# Altium PCB QAM16.PcbDoc (part 1 of 2) (continued)
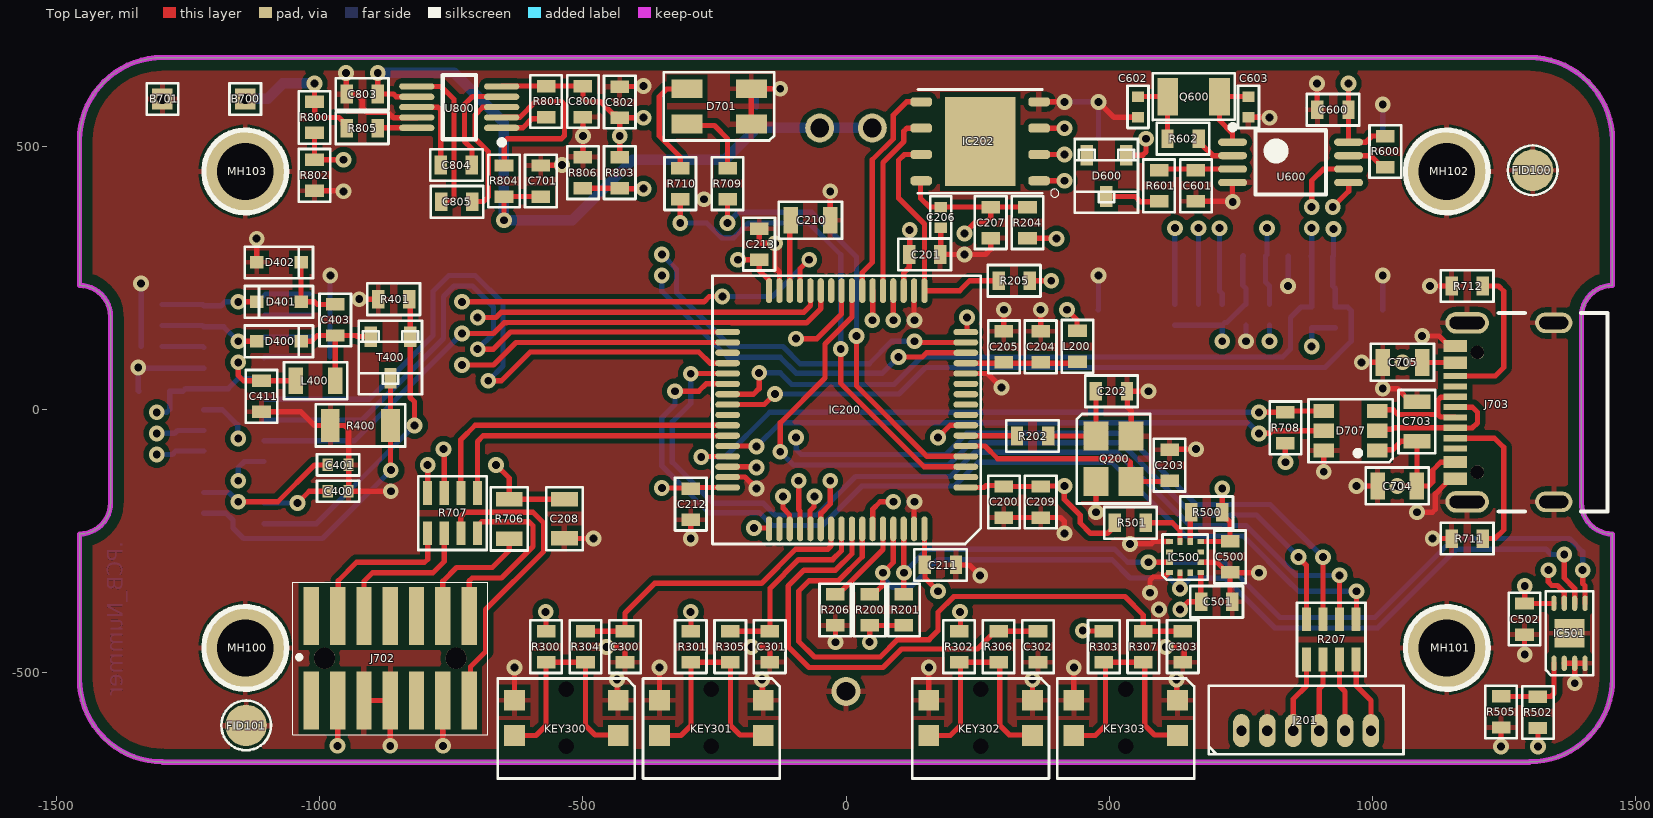
[diagram p0: Top Layer view]
## Part data (continued)
C210: library part F0160, "Capacitor", Manufacturer=KEMET, Manufacturer Part Number=C0805C225K3RAC7800, Operating Range="-55°C to +125°C", Supplier Part Number 1=399-11941-1-ND, Availability Date="15.11.2016 OPT", Changed="02.08.2013 NEC", Component Type=Standard, ComponentLink1Description=Datasheet, ComponentLink1URL=http://www.samsungsem.com/servlet/FileDownload?type=spec&file=CL21B225KAFNFNE.pdf, Flammability=n.a., ID=F0160, Note="2.2uF 25V X7R 10% Samsung Electro-Mechanics America CL21B225KAFNFNE", Part Status=Active, Part-Number=63.0225.1500, Pin Count=2, Price=0.039, Price 100=0.03, Price 1000=0.03, Price Date="02.12.2019 Pro Alpha", RoHS="RoHS Compliant", RoHS compliant=Yes, Specification="02.08.2013 NEC", Status=Active, Supplier 1=Digi-Key
C601: library part F0025, "Capacitor", Manufacturer=KEMET, Manufacturer Part Number=C0603C101J5GACTU, Operating Range="-55°C to +125°C", Supplier Part Number 1=399-1061-1-ND, Availability Date="15.11.2016 OPT", Changed="19.09.2011 MLP", Component Type=Standard, ComponentLink1Description=http://www.kemet.com/docfinder?Partnumber=C0603C101J5GACTU, ComponentLink1URL=http://www.kemet.com/docfinder?Partnumber=C0603C101J5GACTU, Flammability=n.a., ID=F0025, Note="100pF NP0 50V 5% AVX 06035A101JAT2A", Part Status=Active, Part-Number=63.0101.0400, Pin Count=2, Price=0.007, Price 100=0.007, Price 1000=0.007, Price Date="02.12.2019 Pro Alpha", RoHS="RoHS Compliant", RoHS compliant=Yes, Specification="19.09.2011 MLP", Status=Active, Supplier 1=Digi-Key, Verification="05.07.2012 OPT"
C602 C603: library part F0183, "Capacitor", Manufacturer=KEMET, Manufacturer Part Number=C0402C180J5GAC7867, Operating Range="-55°C to +125°C", Supplier Part Number 1=399-8952-1-ND, Availability Date="15.11.2016 OPT", Changed="15.12.2014 NEC", Component Type=Standard, ComponentLink1Description=Datasheet, ComponentLink1URL=http://www.avx.com/docs/Catalogs/ccog.pdf, Flammability=n.a., ID=F0183, Note="18pF 50V C0G (NP0) 5% Kemet C0402C180J5GAC7867", Part Status=Active, Part-Number=63.0204.0100, Pin Count=2, Price=0.034, Price 100=0.035, Price 1000=0.028, Price Date="02.12.2019 Pro Alpha", RoHS="RoHS Compliant", RoHS compliant=Yes, Specification="15.12.2014 NEC", Status=Active, Supplier 1=Digi-Key
C701 C800 C803: library part F0168, "Capacitor", Manufacturer="TDK Corporation", Manufacturer Part Number=C1608X5R1E106M080AC, Operating Range="-55°C to +85°C", Supplier Part Number 1=445-9015-1-ND, Availability Date="15.11.2016 OPT", Changed="20.12.2013 OPT", Component Type=Standard, ComponentLink1Description=Datasheet, ComponentLink1URL=http://product.tdk.com/capacitor/mlcc/en/documents/mlcc_commercial_general_en.pdf, Flammability=n.a., ID=F0168, Note="10uF 25V X5R 20% TDK C1608X5R1E106M080AC", Part Status=Active, Part-Number=63.0103.1403, Pin Count=2, Price=0.281, Price 100=0.204, Price 1000=0.188, Price Date="02.12.2019 Pro Alpha", RoHS="RoHS Compliant", RoHS compliant=Yes, Specification="20.12.2013 OPT", Status=Active, Supplier 1=Digi-Key
C702: library part F0096, "Capacitor", Manufacturer=KEMET, Manufacturer Part Number=C0402C104K4RACTU, Operating Range="-55°C to +125°C", Supplier Part Number 1=399-3521-1-ND, Availability Date="15.11.2016 OPT", Changed="19.09.2011 MLP", Component Type=Standard, Flammability=n.a., ID=F0096, Note="100nF 16V 10% X7R KEMET C0402C104K4RACTU", Part Status=Active, Part-Number=63.7000.0070, Pin Count=2, Price=0.001, Price 100=0.002, Price 1000=0.002, Price Date="02.12.2019 Pro Alpha", RoHS="RoHS Compliant", RoHS compliant=Yes, Specification="19.09.2011 MLP", Status=Active, Supplier 1=Digi-Key, Verification="05.07.2012 OPT"
C703 C704 C705: library part F0127, "Capacitor", Manufacturer="Murata Electronics North America", Manufacturer Part Number=GRM21BF51H105ZA12L, Operating Range="-30°C to +85°C", Supplier Part Number 1=490-3903-1-ND, Availability Date="15.11.2016 OPT", Changed="27.12.2012 OPT", Component Type=Standard, ComponentLink1Description=Datasheet, ComponentLink1URL=http://www.murata.com/products/catalog/pdf/c02e.pdf, ComponentLink2Description=http://search.murata.co.jp/Ceramy/image/img/A01X/G101/ENG/GRM21BF51H105ZA12-01.pdf, ComponentLink2URL=http://search.murata.co.jp/Ceramy/image/img/A01X/G101/ENG/GRM21BF51H105ZA12-01.pdf, Flammability=n.a., ID=F0127, Note="1uF 50V Y5V 20% Murata GRM21BF51H105ZA12L", Part Status="Discontinued at Digi-Key", Part-Number=63.0105.1500, Pin Count=2, Price=0.118, Price 100=0.067, Price 1000=0.067, Price Date="02.12.2019 Pro Alpha", RoHS="RoHS Compliant", RoHS compliant=Yes, Specification="27.12.2012 OPT", Status=Active, Supplier 1=Digi-Key
D400 D401 D402: library part A0118, "Diode", Manufacturer=STMicroelectronics, Operating Range="-40°C to +150°C", Supplier Part Number=497-7163-1-ND, Availability Date="10.11.2016 SCI", Changed="10.11.2016 OPT", Component Type=Standard, ComponentLink1Description=Datasheet, ComponentLink1URL=http://www.st.com/content/ccc/resource/technical/document/datasheet/07/50/54/f2/0d/ba/4a/79/CD00001322.pdf/files/CD00001322.pdf/jcr:content/translations/en.CD00001322.pdf, Flammability=n.a., ID=A0118, Manufacturer Part Number=BAT54JFILM, Note="STMicroelectronics BAT54JFILM Diode Schottky 300mA 40V", Part Status=Active, Part-Number=61.0054.1006, Pin Count=2, Price=0.098, Price 100=0.097, Price 1000=0.066, Price Date="02.12.2019 Pro Alpha", RoHS="RoHS Compliant", RoHS compliant=Yes, Specification="10.11.2016 OPT", Status=Active, Supplier=Digi-Key, Verification="30.11.2016 SCI"
D600: library part A0002, "Diode", Manufacturer="Nexperia USA Inc.", Manufacturer Part Number=BAS16,235, Operating Range="-65°C to +150°C", Supplier Part Number=1727-6172-1-ND, Availability Date="14.11.2016 OPT", Changed="19.09.2011 MLP", Component Type=Standard, ComponentLink1Description=Datasheet, ComponentLink1URL=http://www.fairchildsemi.com/ds/BA/BAS16.pdf, Flammability=n.a., ID=A0002, Note="NXP Semiconductors BAS16 235 Diode", Part Status=Active, Part-Number=61.0016.1000, Pin Count=3, Price=0.021, Price 100=0.025, Price 1000=0.025, Price Date="02.12.2019 Pro Alpha", RoHS="RoHS Compliant", RoHS compliant=Yes, Specification="19.09.2011 MLP", Status=Active, Supplier=Digi-Key, Verification="05.07.2012 OPT"
D700: library part A0135, "Diode", Manufacturer=Bourns, Operating Range="-40°C to +125°C", Supplier Part Number=652-CG0402MLC-05LGA, Availability Date="02.10.2020 PEK", Component Type=Standard, ComponentLink1Description=Datasheet, ComponentLink1URL=https://www.mouser.ch/datasheet/2/54/MLC-777442.pdf, Flammability=n.a., ID=A0135, Manufacturer Part Number=CG0402MLC-05LGA, Note="Bourns CG0402MLC-05LGA TVS Diodes / ESD Suppressors Chip Guard 0402 5 Volts", Part Status=Active, Part-Number=00.0000.0000, Pin Count=2, Price=0.22, Price 100=0.17, Price 1000=0.12, Price Date="02.10.2020 PEK", RoHS="RoHS Compliant", RoHS compliant=Yes, Status=Active, Supplier=Mouser
D701: library part A0060, "LED", Manufacturer="Wurth Electronics Inc.", Manufacturer Part Number=150141RV73100, Operating Range="-40°C to +85°C", Supplier Part Number=732-5001-1-ND, Availability Date="14.11.2016 OPT", Changed="17.07.2013 OPT", Component Type=Standard, ComponentLink1Description=Datasheet, ComponentLink1URL=http://katalog.we-online.de/led/datasheet/150141RV73100.pdf, Flammability=n.a., ID=A0060, Note="WE WL-SBTW 3528 50141RV73100", Part Status=Active, Part-Number=72.3528.0200, Pin Count=4, Price=0.21, Price 100=0.39, Price 1000=0.39, Price Date="02.12.2019 Pro Alpha", RoHS="RoHS Compliant", RoHS compliant=Yes, Specification="17.07.2013 OPT", Status=Active, Supplier=Digi-Key
D707: library part A0111, "Diode", Manufacturer="ON Semiconductor", Operating Range="-55°C to +125°C", Supplier Part Number=STF202-22T1GOSCT-ND, Availability Date="14.09.2016 OPT", Changed="14.09.2016 OPT", Component Type=Standard, ComponentLink1Description=Datasheet, ComponentLink1URL=http://www.onsemi.com/pub_link/Collateral/STF202-22T1-D.PDF, Flammability=n.a., ID=A0111, Manufacturer Part Number=STF202-22T1G, Note="ON Semiconductor STF202-22T1G USB Filter with ESD Protection", Part Status=Active, Part-Number=61.0202.2200, Pin Count=6, Price=0.31, Price 100=0.303, Price 1000=0.234, Price Date="02.12.2019 Pro Alpha", RoHS="RoHS Compliant", RoHS compliant=Yes, Specification="14.09.2016 OPT", Status=Active, Supplier=Digi-Key
FID100 FID101 FID102 FID103: library part C0039, "FIDUCIAL", Operating Range="-50°C to +130°C", Availability Date=-, Changed="19.09.2011 MLP", Component Type=Standard, Flammability="UL 94 V-0", ID=C0039, Note=FIDUCIAL-2, Part-Number=00.0000.0000, Pin Count=1, Price=0, Price 100=0, Price 1000=0, Price Date="07.10.2011 MLP", RoHS compliant=Yes, Specification="19.09.2011 MLP", Status=Active
IC200: library part H0047, "uC", Manufacturer=STMicroelectronics, Manufacturer Part Number=STM32F411RET6, Operating Range="-40°C to +85°C", Supplier Part Number 1=C94355, Availability Date="05.09.2020 PEK", Changed="05.09.2020 PEK", Component Type=Standard, ComponentLink1Description=Datasheet, ComponentLink1URL=https://www.st.com/resource/en/datasheet/stm32f411re.pdf, Flammability=n.a, ID=H0047, Note="ARM Mikrocontroller - MCU 32-BITS MICROS", Part Status=Active, Part-Number=00.0000.0000, Pin Count=64, Price=3.03, Price 100=2.6, Price 1000=2.6, Price Date="05.09.2020 PEK", RoHS="RoHS Compliant", RoHS compliant=Yes, Specification="05.09.2020 PEK", Status=Active, Supplier 1=JLCPCB, Verification="05.09.2020 PEK"
IC202: library part L0030, "Memory", Manufacturer=Winbond, Operating Range="-40°C to +85°C", Supplier Part Number 1=454-W25Q128JWPIQ, Availability Date=02.04.2022, Changed="04.02.2022 PEK", Component Type=Standard, ComponentLink1Description=Datasheet, ComponentLink1URL=https://www.mouser.ch/datasheet/2/949/W25Q128JW_RevB_11042019-1761358.pdf, Flammability=n.a., ID=L0030, Manufacturer Part Number=W25Q128JWPIQ, Note="1.8V 128M-BIT SERIAL FLASH MEMORY WITH  DUAL, QUAD SPI", Part Status=Active, Part-Number=00.0000.0000, Pin Count=8, Price=2.02, Price 100=1.76, Price 1000=1.76, Price Date="04.02.2022 PEK", RoHS="RoHS Compliant", RoHS compliant=Yes, Specification="04.02.2022 PEK", Status=Active, Supplier 1=Mouser
IC500: library part E0146, "Sensor", Manufacturer=MEMSIC, Operating Range="-40°C to +85°C", Supplier Part Number 1=498-MC3419, Availability Date="02.04.2021 PEK", Changed="02.04.2021 PEK", Component Type=Standard, ComponentLink1Description=Datasheet, ComponentLink1URL=https://www.mouser.ch/datasheet/2/821/MEMSIC_MC3419_Datasheet-1889799.pdf, Flammability=n.a, ID=E0146, Manufacturer Part Number=MC3419, Note="Beschleunigungsmesser Small Digital 3-axis Accelerometer Sensor", Part Status=Active, Part-Number=00.0000.0000, Pin Count=12, Price=1.58, Price 100=0.837, Price 1000=0.625, Price Date="02.04.2021 PEK", RoHS="RoHS Compliant", RoHS compliant=Yes, Specification="02.04.2021 PEK", Status=Active, Supplier 1=Mouser
IC501: library part E0075, "Sensor", Manufacturer="Microchip Technology", Operating Range="-40°C to +125°C", Supplier Part Number 1=MCP9844T-BE/MNYCT-ND, Availability Date="15.11.2016 OPT", Changed="18.06.2014 NEC", Component Type=Standard, ComponentLink1Description=Datasheet, ComponentLink1URL=http://ww1.microchip.com/downloads/en/DeviceDoc/20005192B.pdf, Flammability=n.a., ID=E0075, Manufacturer Part Number=MCP9844T-BE/MNY, Note="Microchip MCP9844T-BE/MNY T-Sensor PCB", Part Status=Active, Part-Number=61.0110.6400, Pin Count=8, Price=0.846, Price 100=0.68, Price 1000=0.66, Price Date="01.06.2021 Pro Alpha", RoHS="RoHS Compliant", RoHS compliant=Yes, Specification="18.06.2014 NEC", Status=Active, Supplier=Digi-Key
J201: library part N0043, "Connector", Manufacturer="Molex, LLC", Manufacturer Part Number=0530470610, Operating Range="-40°C to +85°C", Supplier Part Number 1=WM1735-ND, Availability Date="16.11.2016 OPT", Changed="07.11.2012 OPT", Component Type=Standard, ComponentLink1Description=Datasheet, ComponentLink1URL=http://www.molex.com/pdm_docs/sd/530470610_sd.pdf, Flammability="UL 94 V-0", ID=N0043, Note="MICRO-06 THT Molex 53047-0610", Part Status=Active, Part-Number=87.5180.2065, Pin Count=6, Price=0.441, Price 100=0.515, Price 1000=0.515, Price Date="02.12.2019 Pro Alpha", RoHS="RoHS Compliant", RoHS compliant=Yes, Specification="07.11.2012 OPT", Status=Active, Supplier 1=Digi-Key
J400: library part N0136, "Connector", Manufacturer="Molex, LLC", Manufacturer Part Number=5019512410, Operating Range="-25°C to +85°C", Supplier Part Number 1=WM11107CT-ND, Availability Date="16.11.2016 OPT", Changed="01.09.2015 OPT", Component Type=Standard, ComponentLink1Description=Datasheet, ComponentLink1URL=http://www.molex.com/pdm_docs/sd/5019512410_sd.pdf, Flammability="UL 94 V-0", ID=N0136, Note="Molex 5019512410 FFC 24 POS", Part Status=Active, Part-Number=87.5019.5124, Pin Count=24, Price=0.74, Price 100=1.28, Price 1000=0.92, Price Date="02.12.2019 Pro Alpha", RoHS="RoHS Compliant", RoHS compliant=Yes, Specification="01.09.2015 OPT", Status=Active, Supplier 1=Digi-Key
J701: library part N0178, "Connector", Manufacturer="Amphenol Commercial Products", Manufacturer Part Number=GTFH08131YHR, Operating Range="-40°C to +120°C", Supplier Part Number 1=523-GTFH08131YHR, Availability Date="02.04.2022 PEK", Changed="02.04.2022 PEK", Component Type=Standard, ComponentLink1Description=Datasheet, ComponentLink1URL=https://cdn.amphenol-icc.com/media/wysiwyg/files/drawing/gtfh081x1yhr.pdf, Flammability="UL 94 V-0", ID=N0178, Note="Speicherkartenverbinder Micro SD, Skt Hinge", Part Status=Active, Part-Number=00.0000.0000, Pin Count=12, Price=2.66, Price 100=2.13, Price 1000=1.55, Price Date="02.04.2022 PEK", RoHS="RoHS Compliant", RoHS compliant=Yes, Specification="02.04.2022 PEK", Status=Active, Supplier 1=Mouser
J702: library part N0177, "Connector", Manufacturer=Samtec, Manufacturer Part Number=FTSH-107-01-L-DV-K-A, Operating Range="-40°C to +120°C", Supplier Part Number 1=200-FTSH10701LDVKA, Availability Date="28.03.2021 PEK", Changed="28.03.2021 PEK", Component Type=Standard, ComponentLink1Description=Datasheet, ComponentLink1URL=https://www.mouser.ch/datasheet/2/527/ftsh_smt-1316912.pdf, Flammability="UL 94 V-0", ID=N0177, Note=Stiftleiste_Stlink_V3, Part Status=Active, Part-Number=00.0000.0000, Pin Count=14, Price=3.90, Price 100=3.22, Price 1000=2.20, Price Date="28.03.2021 PEK", RoHS="RoHS Compliant", RoHS compliant=Yes, Specification="28.03.2021 PEK", Status=Active, Supplier 1=Mouser
J703: library part N0175, "Connector", Manufacturer=GCT, Manufacturer Part Number=USB4105-GF-A, Operating Range="-40°C to +120°C", Package=None, Supplier Part Number 1=640-USB4105-GF-A, Availability=Unavailable, Availability Date="28.03.2021 PEK", Changed="28.03.2021 PEK", Component Type=Standard, ComponentLink1Description=Datasheet, ComponentLink1URL=https://www.mouser.ch/datasheet/2/837/USB4105_spec-2327646.pdf, DeviceSetName=105450-0101, Flammability="UL 94 V-0", GateName_1=G$1, ID=N0175, LibraryName=105450-0101, MF=Molex, MP=1054500101, Note="USB-Stecker USB Type C,2.0, Rec, SMT,TH Shell Stakes USB4105-GF-A", Part Status=Active, Part-Number=00.0000.0000, Pin Count=16, Price=0.75, Price 100=0.46, Price 1000=0.41, Price Date="28.03.2021 PEK", RoHS="RoHS Compliant", RoHS compliant=Yes, Specification="28.03.2021 PEK", Status=Active, Supplier 1=Mouser, SymbolName_1=105450-0101
KEY300 KEY301 KEY302 KEY303: library part O0004, "Button", Manufacturer="Wurth Electronics Inc.", Manufacturer Part Number=436333045822, Operating Range="-40°C to +85°C", Supplier Part Number 1=732-7060-1-ND, Availability Date="15.11.2016 OPT", Changed="09.07.2013 OPT", Component Type=Standard, ComponentLink1Description=Datasheet, ComponentLink1URL=http://katalog.we-online.de/em/datasheet/436333045822.pdf, Flammability=n.a., ID=O0004, Note="Drucktaste WE 220GF 436333045822", Part Status=Active, Part-Number=87.4363.0220, Pin Count=4, Price=0.589, Price 100=0.393, Price 1000=0.393, Price Date="02.12.2019 Pro Alpha", RoHS="RoHS Compliant", RoHS compliant=Yes, Specification="09.07.2013 OPT", Status=Active, Supplier 1=Digi-Key
L200: library part M0007, "Inductor", Manufacturer="Taiyo Yuden", Manufacturer Part Number=HK160822NJ-T, Operating Range="-40°C to +85°C", Supplier Part Number 1=587-1549-1-ND, Availability Date="15.11.2016 OPT", Changed="19.09.2011 MLP", Component Type=Standard, Flammability=n.a., ID=M0007, Note="Taiyo Yuden HK160822NJ-T Festinduktoren INDCTR HIFREQ MLTLYR 0603 22nH 5%", Part Status=Active, Part-Number=69.0220.0000, Pin Count=2, Price=0.029, Price 100=0.076, Price 1000=0.05, Price Date="02.12.2019 Pro Alpha", RoHS="RoHS Compliant", RoHS compliant=Yes, Specification="19.09.2011 MLP", Status=Active, Supplier 1=Digi-Key, Verification="05.07.2012 OPT"
L400: library part M0076, "Inductor", Manufacturer="Taiyo Yuden", Manufacturer Part Number=LB2012T680K, Operating Range="-40°C to +125°C", Availability Date="15.11.2016 OPT", Changed="02.12.2019 Pro Alpha", Component Type=Standard, ComponentLink1Description=Datasheet, ComponentLink1URL=https://www.mouser.ch/datasheet/2/396/wound01_e-1509533.pdf, Flammability=n.a., ID=M0076, Note="Murata 68uH 500mA", Part Status=Active, Part-Number=00.0000.0000, Pin Count=2, Price=0.21, Price 100=0.20, Price 1000=0.15, Price Date="02.12.2019 Pro Alpha", RoHS="RoHS Compliant", RoHS compliant=Yes, Specification="02.12.2019 Pro Alpha", Status=Active, Supplier 1=Mouser, Supplier Part Number 1=LB2012T680K, Verification="02.12.2019 Pro Alpha"
MH100 MH101 MH102 MH103: library part C0084, "PCB hole", Manufacturer=-, Operating Range="-50°C to +130°C", Availability Date="14.03.2019 PEK", Changed="14.03.2019 PEK", Component Type=Standard, ComponentLink1Description=Datasheet, ComponentLink1URL=-, Flammability=n.a, ID=C0084, Manufacturer Part Number=-, Note=MH_M2.5, Part Status=Active, Part-Number=00.0000.0000, Pin Count=1, Price=0.00, Price 100=0.00, Price 1000=0.00, Price Date="14.03.2019 PEK", RoHS="RoHS Compliant", RoHS compliant=Yes, Specification="14.03.2019 PEK", Status=Active, Supplier 1=-, Supplier Part Number 1=-
Q200: library part J0008, "Resonator", Manufacturer="Abracon LLC", Manufacturer Part Number=ABM8G-25.000MHZ-18-D2Y-T, Operating Range="-40°C to +85°C", Supplier Part Number 1=535-10275-1-ND, Availability Date="14.11.2016 OPT", Changed="23.09.2014 OPT", Component Type=Standard, ComponentLink1Description=Datasheet, ComponentLink1URL=http://www.abracon.com/Resonators/ABM8G.pdf, Flammability=n.a., ID=J0008, Note="ABRACON ABM8G-25.000MHZ-18-D2Y-T Quarze 25.000MHz 18pF 30ppm -40C +85C", Part Status=Active, Part-Number=77.2500.1800, Pin Count=4, Price=0.61, Price 100=0.783, Price 1000=0.548, Price Date="02.12.2019 Pro Alpha", RoHS="RoHS Compliant", RoHS compliant=Yes, Specification="30.12.2013 OPT", Status=Active, Supplier 1=Digi-Key
Q600: library part J0014, "Resonator", Operating Range="-40°C to +85°C", Availability Date="19.06.2017 NEC", Changed="21.06.2017 OPT", Component Type=Standard, ComponentLink1Description=Datasheet, ComponentLink1URL=http://www.microcrystal.com/images/_Product-Documentation/01_TF_ceramic_Packages/01_Datasheet/CM7V-T1A_Low-ESR.pdf, ComponentLink2Description="Product Documentation", ComponentLink2URL=http://www.microcrystal.com/images/_Product-Documentation/01_TF_ceramic_Packages/02_Crystal_Documentation/CM7V-T1A_Low-ESR_Product-Doc.pdf, Flammability=n.a., ID=J0014, Note="Microcrystal CM7VT1A32.768K12.5PF20PT 32.768kHz Quarz 12.5pF 20ppm LowESR 50kOhm SMD/202740-BG00", Part Status=Active, Part-Number=77.3276.8930, Pin Count=2, Price=0.164, Price 100=0.25, Price 1000=0.25, Price Date="02.12.2019 Pro Alpha", RoHS="RoHS Compliant", RoHS compliant=Yes, Specification="21.06.2017 OPT", Status=Active
R200 R201: library part Q0091, "Resistor", Manufacturer="Vishay Dale", Manufacturer Part Number=CRCW06032K20FKEA, Operating Range="-55°C to +155°C", Supplier Part Number=541-2.20KHCT-ND, Availability Date="16.11.2016 OPT", Changed="19.09.2011 MLP", Component Type=Standard, ComponentLink1Description=http://www.vishay.com/docs/20035/dcrcwe3.pdf, ComponentLink1URL=http://www.vishay.com/docs/20035/dcrcwe3.pdf, Flammability=n.a., ID=Q0091, Note="2.2k 1% 100ppm 1/10W Vishay CRCW06032K20FKTA", Part Status=Active, Part-Number=71.2201.1300, Pin Count=2, Price=0.001, Price 100=0.002, Price 1000=0.002, Price Date="02.12.2019 Pro Alpha", RoHS="RoHS Compliant", RoHS compliant=Yes, Specification="19.09.2011 MLP", Status=Active, Supplier=Digi-Key, Verification="05.07.2012 OPT"
R202: library part Q0402, "Resistor", Manufacturer="Vishay Beyschlag", Manufacturer Part Number=MCT06030C2209FP500, Operating Range="-55°C to +125°C", Supplier Part Number=MCT0603-22.0-CFCT-ND, Availability Date="23.06.2017 ENP", Changed="23.06.2017 NEC", Component Type=Standard, ComponentLink1Description=Datasheet, ComponentLink1URL=https://www.vishay.com/docs/28705/mcx0x0xpro.pdf, Flammability=n.a., ID=Q0402, Note="22E 1% 50ppm 1/10W Vishay MCT06030C2209FP500", Part Status=Active, Part-Number=71.2209.1400, Pin Count=2, Price=0.029, Price 100=0.059, Price 1000=0.035, Price Date="02.12.2019 Pro Alpha", RoHS="RoHS Compliant", RoHS compliant=Yes, Specification="23.06.2017 NEC", Status=Active, Supplier=Digi-Key
R204 R205 R206 R300 R301 R302 R303 R401 R600: library part Q0017, "Resistor", Manufacturer="Vishay Dale", Manufacturer Part Number=CRCW060310K0FKEAHP, Operating Range="-55°C to +155°C", Supplier Part Number=541-10.0KSCT-ND, Availability Date="16.11.2016 OPT", Changed="19.09.2011 MLP", Component Type=Standard, ComponentLink1Description=http://www.vishay.com/docs/20043/crcwhpe3.pdf, ComponentLink1URL=http://www.vishay.com/docs/20043/crcwhpe3.pdf, Flammability=n.a., ID=Q0017, Note="10k 1% 100ppm 1/10W Vishay CRCW060310K0FKEA", Part Status=Active, Part-Number=71.1002.1300, Pin Count=2, Price=0.001, Price 100=0.002, Price 1000=0.002, Price Date="02.12.2019 Pro Alpha", RoHS="RoHS Compliant", RoHS compliant=Yes, Specification="19.09.2011 MLP", Status=Active, Supplier=Digi-Key, Verification="05.07.2012 OPT"
R207 R707: library part Q0280, "Resistor", Manufacturer="Bourns Inc.", Manufacturer Part Number=CAT16-1000F4LF, Operating Range="-55°C to +125°C", Supplier Part Number=CAT16-1000F4LFCT-ND, Availability Date="16.11.2016 OPT", Changed="12.09.2013 OPT", Component Type=Standard, ComponentLink1Description=Datasheet, ComponentLink1URL=http://www.bourns.com/data/global/pdfs/CATCAY.pdf, ComponentLink2Description=http://www.bourns.com/docs/Product-Datasheets/CATCAY.pdf, ComponentLink2URL=http://www.bourns.com/docs/Product-Datasheets/CATCAY.pdf, Flammability=n.a., ID=Q0280, Note="100E 4x 1.0% 1/16W Bourns CAT16-1000F4LF", Part Status=Active, Part-Number=00.0000.0000, Pin Count=2, Price=0.043, Price 100=0.043, Price 1000=0.043, Price Date="12.09.2013 OPT", RoHS="RoHS Compliant", RoHS compliant=Yes, Specification="12.09.2013 OPT", Status=Active, Supplier=Digi-Key
R304 R305 R306 R307: library part Q0011, "Resistor", Manufacturer="Vishay Dale", Manufacturer Part Number=CRCW0603100RFKEA, Operating Range="-55°C to +155°C", Supplier Part Number=541-100HCT-ND, Availability Date="16.11.2016 OPT", Changed="19.09.2011 MLP", Component Type=Standard, ComponentLink1Description=http://www.vishay.com/docs/20035/dcrcwe3.pdf, ComponentLink1URL=http://www.vishay.com/docs/20035/dcrcwe3.pdf, Flammability=n.a., ID=Q0011, Note="100E 1% 100ppm 1/10W Vishay / Dale CRCW0603100RFKTB", Part Status=Active, Part-Number=71.1000.1300, Pin Count=2, Price=0.002, Price 100=0.002, Price 1000=0.002, Price Date="02.12.2019 Pro Alpha", RoHS="RoHS Compliant", RoHS compliant=Yes, Specification="19.09.2011 MLP", Status=Active, Supplier=Digi-Key, Verification="05.07.2012 OPT"
R400: library part Q0267, "Resistor", Manufacturer="Panasonic Electronic Components", Manufacturer Part Number=ERJ-8RQFR33V, Operating Range="-55°C to +125°C", Supplier Part Number=P.33RCT-ND, Availability Date="16.11.2016 OPT", Changed="31.07.2013 NEC", Component Type=Standard, ComponentLink1Description=Datasheet, ComponentLink1URL=http://industrial.panasonic.com/www-data/pdf/AOA0000/AOA0000CE3.pdf, ComponentLink2Description=https://industrial.panasonic.com/cdbs/www-data/pdf/RDN0000/AOA0000C295.pdf, ComponentLink2URL=https://industrial.panasonic.com/cdbs/www-data/pdf/RDN0000/AOA0000C295.pdf, Flammability=n.a., ID=Q0267, Note="0.33E 1.0% 250ppm 1/4W Panasonic Electronic Components ERJ-8RQFR33V", Part Status=Active, Part-Number=00.0000.0000, Pin Count=2, Price=0.077, Price 100=0.077, Price 1000=0.077, Price Date="31.07.2013 NEC", RoHS="RoHS Compliant", RoHS compliant=Yes, Specification="31.07.2013 NEC", Status=Active, Supplier=Digi-Key
R500 R501: library part Q0152, "Resistor", Manufacturer="Vishay Dale", Manufacturer Part Number=CRCW06034K70FKEA, Operating Range="-55°C to +155°C", Supplier Part Number=541-4.70KHCT-ND, Availability Date="16.11.2016 OPT", Changed="19.09.2011 MLP", Component Type=Standard, ComponentLink1Description=http://www.vishay.com/docs/20035/dcrcwe3.pdf, ComponentLink1URL=http://www.vishay.com/docs/20035/dcrcwe3.pdf, Flammability=n.a., ID=Q0152, Note="4.7k 1% 100ppm 1/10W Vishay CRCW06034K70FKTA", Part Status=Active, Part-Number=71.4701.3300, Pin Count=2, Price=0.001, Price 100=0.002, Price 1000=0.002, Price Date="02.12.2019 Pro Alpha", RoHS="RoHS Compliant", RoHS compliant=Yes, Specification="19.09.2011 MLP", Status=Active, Supplier=Digi-Key, Verification="05.07.2012 OPT"
R502 R505 R602: library part Q0202, "Resistor", Manufacturer="Vishay Dale", Manufacturer Part Number=CRCW06030000Z0EA, Operating Range="-55°C to +155°C", Supplier Part Number=541-0.0GCT-ND, Availability Date="16.11.2016 OPT", Changed="19.09.2011 MLP", Component Type=Standart, ComponentLink1Description=Datasheet, ComponentLink1URL=http://www.vishay.com/docs/20008/dcrcw.pdf, ComponentLink2Description=http://www.vishay.com/docs/20035/dcrcwe3.pdf, ComponentLink2URL=http://www.vishay.com/docs/20035/dcrcwe3.pdf, Flammability=n.a., ID=Q0202, Note="0E 1/10W Vishay / Dale CRCW06030000Z0TA", Part Status=Active, Part-Number=71.0000.3300, Pin Count=2, Price=0.001, Price 100=0.002, Price 1000=0.002, Price Date="02.12.2019 Pro Alpha", RoHS="RoHS Compliant", RoHS compliant=Yes, Specification="19.09.2011 MLP", Status=Active, Supplier=Digi-Key, Verification="05.07.2012 OPT"
R601 R709 R710: library part Q0014, "Resistor", Manufacturer="Vishay Dale", Manufacturer Part Number=CRCW06031K00FKEC, Operating Range="-55°C to +155°C", Supplier Part Number=541-2986-1-ND, Availability Date="16.11.2016 OPT", Changed="19.09.2011 MLP", Component Type=Standard, Flammability=n.a., ID=Q0014, Note="1k 1% 200ppm 1/10W Vishay / Dale CRCW06031K00FKTA", Part Status=Active, Part-Number=71.1001.1300, Pin Count=2, Price=0.001, Price 100=0.002, Price 1000=0.002, Price Date="02.12.2019 Pro Alpha", RoHS="RoHS Compliant", RoHS compliant=Yes, Specification="19.09.2011 MLP", Status=Active, Supplier=Digi-Key, Verification="05.07.2012 OPT"
R700 R701 R702 R703 R704: library part Q0018, "Resistor", Manufacturer="Vishay Dale", Manufacturer Part Number=CRCW040210K0FKEE, Operating Range="-55°C to +155°C", Supplier Part Number=541-2954-1-ND, Availability Date="16.11.2016 OPT", Changed="19.09.2011 MLP", Component Type=Standart, Flammability=n.a., ID=Q0018, Note="10k 1% 100ppm 1/16W Vishay / Dale CRCW040210K0FKTD", Part Status=Active, Part-Number=71.1002.1400, Pin Count=2, Price=0.017, Price 100=0.002, Price 1000=0.002, Price Date="02.12.2019 Pro Alpha", RoHS="RoHS Compliant", RoHS compliant=Yes, Specification="19.09.2011 MLP", Status=Active, Supplier=Digi-Key, Verification="05.07.2012 OPT"
R705: library part Q0466, "Resistor", Manufacturer="Delta Electronics/Cyntec", Manufacturer Part Number=PFR05S-220-FNH, Operating Range="-55°C to +125°C", Supplier Part Number=2037-PFR05S-220-FNHTR-ND, Availability Date="06.05.2022 PEK", Changed="06.05.2022 PEK", Component Type=Standard, ComponentLink1Description=Datasheet, ComponentLink1URL=https://download.datasheets.com/pdfs/2018/12/14/19/32/22/975901/cyn_/manual/cynts00024-1.pdf, Flammability=n.a., ID=Q0466, Note="Dickfilmwiderstände - SMD 1/16W 22E 1%  RC0402FR-07140KL", Part Status=Active, Part-Number=00.0000.0000, Pin Count=2, Price=0.10, Price 100=0.005, Price 1000=0.0025, Price Date="06.05.2022 PEK", RoHS="RoHS Compliant", RoHS compliant=Yes, Specification="06.05.2022 PEK", Status=Active, Supplier=Digi-Key
R706: library part Q0329, "Resistor", Manufacturer="Vishay Dale", Manufacturer Part Number=CRCW0805100RFKEA, Operating Range="-55°C to +155°C", Supplier Part Number=541-100CCT-ND, Availability Date="16.11.2016 OPT", Changed="28.07.2015 OPT", Component Type=Standard, ComponentLink1Description=Datasheet, ComponentLink1URL=http://www.vishay.com/docs/20035/dcrcwe3.pdf, Flammability=n.a., ID=Q0329, Note="100E 1.0% 100ppm 1/8W Vishay CRCW0805100RFKEA", Part Status=Active, Part-Number=00.0000.0000, Pin Count=2, Price=0.096, Price 100=0.026, Price 1000=0.018, Price Date="28.07.2015 OPT", RoHS="RoHS Compliant", RoHS compliant=Yes, Specification="28.07.2015 OPT", Status=Active, Supplier=Digi-Key
R708: library part Q0052, "Resistor", Manufacturer="Vishay Dale", Manufacturer Part Number=CRCW06031K50FKEA, Operating Range="-55°C to +155°C", Supplier Part Number=541-1.50KHCT-ND, Availability Date="16.11.2016 OPT", Changed="19.09.2011 MLP", Component Type=Standard, ComponentLink1Description=http://www.vishay.com/docs/20035/dcrcwe3.pdf, ComponentLink1URL=http://www.vishay.com/docs/20035/dcrcwe3.pdf, Flammability=n.a., ID=Q0052, Note="1.5k 1% 200ppm 1/10W Vishay CRCW06031K50FKTA", Part Status=Active, Part-Number=71.1501.1300, Pin Count=2, Price=0.001, Price 100=0.002, Price 1000=0.002, Price Date="02.12.2019 Pro Alpha", RoHS="RoHS Compliant", RoHS compliant=Yes, Specification="19.09.2011 MLP", Status=Active, Supplier=Digi-Key, Verification="05.07.2012 OPT"
R711 R712: library part Q0166, "Resistor", Manufacturer="Vishay Dale", Manufacturer Part Number=CRCW06035K10FKEA, Operating Range=-, Supplier Part Number=541-5.10KHCT-ND, Availability Date="16.11.2016 OPT", Changed="19.09.2011 MLP", Component Type=Standard, ComponentLink1Description=http://www.vishay.com/docs/20035/dcrcwe3.pdf, ComponentLink1URL=http://www.vishay.com/docs/20035/dcrcwe3.pdf, Flammability=n.a., ID=Q0166, Note="5.1k 1% 100ppm 1/10W Vishay CRCW06035K10FKEA", Part Status=Active, Part-Number=71.5101.1300, Pin Count=2, Price=0.002, Price 100=0.002, Price 1000=0.002, Price Date="02.12.2019 Pro Alpha", RoHS="RoHS Compliant", RoHS compliant=Yes, Specification="19.09.2011 MLP", Status=Active, Supplier=Digi-Key, Verification="05.07.2012 OPT"
R800 R802 R803 R806: library part Q0058, "Resistor", Manufacturer="Vishay Dale", Manufacturer Part Number=CRCW06031M50FKEA, Operating Range="-55°C to +155°C", Supplier Part Number=541-1.50MHCT-ND, Availability Date="16.11.2016 OPT", Changed="19.09.2011 MLP", Component Type=Standard, ComponentLink1Description=http://www.vishay.com/docs/20035/dcrcwe3.pdf, ComponentLink1URL=http://www.vishay.com/docs/20035/dcrcwe3.pdf, Flammability=n.a., ID=Q0058, Note="1.5M 1% 200ppm 1/10W Vishay CRCW06031M50FKTA", Part Status=Active, Part-Number=71.1504.1300, Pin Count=2, Price=0.002, Price 100=0.002, Price 1000=0.002, Price Date="02.12.2019 Pro Alpha", RoHS="RoHS Compliant", RoHS compliant=Yes, Specification="19.09.2011 MLP", Status=Active, Supplier=Digi-Key, Verification="05.07.2012 OPT"
R801 R804 R805: library part Q0023, "Resistor", Manufacturer="Vishay Dale", Manufacturer Part Number=CRCW0603100KFKEA, Operating Range="-55°C to +155°C", Supplier Part Number=541-100KHCT-ND, Availability Date="16.11.2016 OPT", Changed="19.09.2011 MLP", Component Type=Standard, ComponentLink1Description=http://www.vishay.com/docs/20008/dcrcw.pdf, ComponentLink1URL=http://www.vishay.com/docs/20008/dcrcw.pdf, ComponentLink2Description=http://www.vishay.com/docs/20035/dcrcwe3.pdf, ComponentLink2URL=http://www.vishay.com/docs/20035/dcrcwe3.pdf, Flammability=n.a., ID=Q0023, Note="100k 1% 100ppm 1/10W Vishay / Dale CRCW0603100KFKEA", Part Status=Active, Part-Number=71.1003.1300, Pin Count=2, Price=0.001, Price 100=0.002, Price 1000=0.002, Price Date="02.12.2019 Pro Alpha", RoHS="RoHS Compliant", RoHS compliant=Yes, Specification="19.09.2011 MLP", Status=Active, Supplier=Digi-Key, Verification="05.07.2012 OPT"
T400: library part P0025, "FET", Manufacturer="Vishay Siliconix", Manufacturer Part Number=SI2338DS-T1-GE3, Operating Range="-55°C to +150°C", Supplier Part Number 1=SI2338DS-T1-GE3CT-ND, Availability Date="15.11.2016 OPT", Changed="14.01.2015 NEC", Component Type=Standard, ComponentLink1Description=Datasheet, ComponentLink1URL=http://www.vishay.com/docs/67877/si2338ds.pdf, Flammability=n.a., ID=P0025, Note="Vishay SI2338DS N-Channel MOSFET", Part Status=Active, Part-Number=61.2338.9901, Pin Count=3, Price=0.216, Price 100=0.263, Price 1000=0.197, Price Date="02.12.2019 Pro Alpha", RoHS="RoHS Compliant", RoHS compliant=Yes, Specification="14.01.2015 NEC", Status=Active, Supplier 1=Digi-Key
U600: library part CMP-0186-00279-1, "I2C Real-Time Clock/Calendar with EEPROM, SRAM, Unique ID and Battery Switchover, 8-Pin TSSOP, Industrial Temperature", Code_JEDEC=MO-153, ComponentLink1Description="Manufacturer URL", ComponentLink1URL=http://www.microchip.com/, ComponentLink2Description=Datasheet, ComponentLink2URL=http://ww1.microchip.com/downloads/en/DeviceDoc/22266D.pdf, ComponentLink3Description="Package Specification", ComponentLink3URL=http://www.microchip.com/stellent/groups/techpub_sg/documents/packagingspec/en012702.pdf, DatasheetVersion="revD, Dec-2011", PackageDescription="8-Lead Plastic Thin Shrink Small Outline (ST) - 4.4mm Body [TSSOP]", PackageReference=TSSOP-ST8, PackageVersion="revBB, Aug-2009"
U800: library part CMP-0132-00093-1, "Regulated 3.3V, Low-Ripple Charge Pump with SLEEP Mode & Power-Good Output, 10-Pin MSOP, Extended Temperature, Tape and Reel", DatasheetVersion="revA, Mar-2006", PackageDescription="10-Lead Plastic Micro Small Outline Package (UN) [MSOP]", PackageReference=MSOP-UN10, PackageVersion="revBB, Aug-2009"

## Via types
v1: diameter 30, hole 15, Top Layer to Bottom Layer, tented both sides, 177 vias

## Nets (pads, with @x,y where several pads share a name; then routed paths per layer and width w, separated by ;. In a path a pad name is that pad's centre, name@x,y a point inside that pad or via, vN(x,y) a via of type N, cw(c..) or ccw(c..) an arc to the next point about the centre after c; other vN are vias at no path point)
+3V3: C200.1 C201.1 C206.1 C207.1 C209.1 C211.1 C212.1 C213.1 C402.2 C411.1 C500.1 C501.1 C502.1 C600.1 C702.1 C800.1 C802.1 D600.1 IC200.1 IC200.19 IC200.32 IC200.48 IC200.64 IC202.8 IC500.7 IC500.10 IC501.8 J201.1 J400.8 J400.15 J400.16 J701.4 J702.3 L200.1 L400.1 R200.1 R201.1 R204.1 R205.1 R300.1 R301.1 R302.1 R303.1 R500.1 R501.1 R502.1 R600.1 R700.1 R701.1 R702.1 R703.1 R704.1 R708.1 R801.1 R803.1 U600.8 U800.5 | length 3483.2
  Top Layer w10: v1(-1155,90) -1155,65 -1145,55 C411.1@-1110.7,55 L400.1@-1045.5,55 ; v1(-966.14,-638.86) J702.3@-966.14,-552.56 ; U800.5@-654.29,614.37 -653.94,614.72 -625.11,614.72 -624.82,615 R801.1@-570,615 C800.1@-500,615 -500,591.33 -494.14,585.47 -466.57,585.47 -442.91,561.81 -436.81,561.81 C802.1@-430,555 ; v1(-570.78,-384.22) -570,-385 R300.1@-570,-420.94 ; R803.1@-430,480 v1(-430,520) C802.1@-430,555 ; v1(-385,555) C802.1@-430,555 ; v1(-350,-149) -296,-149 C212.1@-295,-150 -292.8,-147.8 IC200.48@-225,-147.8 ; R301.1@-294.41,-420.94 v1@-294.41,-385 ; v1(-205,285) C213.1@-165,285 -165,264.53 -146.61,246.13 -146.61,226.57 IC200.32@-146.26,226.22 ; v1(45,-441.81) R200.1@45,-410 R201.1@110,-410 ; IC200.19@109.65,226.22 109.65,259.65 120,270 C201.1@120,295 121.02,296.02 v1(121.02,341.42) ; IC202.8@142.99,435 141.73,433.74 141.73,401.73 158.46,385 C206.1@180,385 C207.1@275,385 ; C211.1@149.02,-294.02 IC200.64@149.02,-226.54 ; C211.1@151.89,-296.89 C211.1@150,-295 150,-319.97 v1(175,-344.97) ; R302.1@217.4,-420.94 v1@217.4,-385 ; v1(225,335) 245.47,355.47 265.47,355.47 275,365 C207.1@275,385 ; IC200.1@227.76,-147.8 262.2,-147.8 265.98,-144.02 298.07,-144.02 C200.1@300,-145.94 C209.1@370,-145.94 ; R204.1@345,385 C207.1@275,385 ; R205.1@349.06,245 v1(390,245) ; C209.1@370,-150 375,-145 v1(415,-145) 415,-170.4 445,-200.4 445,-215 465,-235 496.85,-235 510.94,-220.91 R501.1@510.94,-215 ; v1(420,190) 439.05,170.95 439.05,150.95 L200.1@440,150 ; v1(450,-420) 450.47,-420.47 492.52,-420.47 R303.1@492.99,-420.94 ; D600.1@532.4,483.74 563.74,483.74 570,490 v1(570,515) ; v1(635.1,-380) 650.1,-365 C501.1@675,-365 674.06,-364.06 IC500.10@674.06,-309.69 ; IC500.7@674.06,-250.63 729.37,-250.63 C500.1@730,-250 730,-213.57 724.14,-207.72 721.81,-207.72 715,-200.91 R500.1@715,-195 ; R500.1@715,-193.02 v1(715,-150) ; v1(835,-100) R708.1@835,-64.06 ; v1(955,620) C600.1@955,570 955,508.62 U600.8@955.24,508.39 988.39,508.39 1000,520 R600.1@1025,520 ; v1(1290,-335) 1290,-367.77 C502.1@1289.38,-368.39 1345.39,-368.39 1345.47,-368.31 IC501.8@1345.47,-367.91 ; v1(1315,-640) R502.1@1315,-605
  Bottom Layer w10: v1@-1307.79,-2.79 v1(-1310,-5) -1290.86,-5 -1285,0.86 C402.2@-1285,35 -1260,35 -1255,40 -1221.1,40 J400.15@-1220.47,39.37 -1219.84,40 -1174.06,40 -1155,59.06 J400.16@-1106.3,59.06 ; v1(-1155,-135) -1155,-110 -1143.43,-98.43 J400.8@-1106.3,-98.43 ; R702.1@625,160.63 R703.1@670,160.63 R704.1@715,160.63 ; v1(715,130) R704.1@715,160.63 ; J701.4@755,292.79 J701.4@753.94,291.73 753.94,236.06 760,230 C702.1@760,200 758.03,200 723.5,165.47 719.84,165.47 R704.1@715,160.63 ; v1(885,120) R700.1@885,155.63 R701.1@930,155.63
  other v1: -295.19,-384.22 216.62,-384.22
+3V3A: C204.1 C205.1 IC200.13 L200.2 | length 213.3
  Top Layer w10: IC200.13@227.76,88.43 437.48,88.43 L200.2@440,90.94
\MEM_CS: IC200.20 IC202.1 | length 704.8
  Top Layer w10: IC200.20@89.96,226.22 89.96,170.04 v1(90,170) ; IC202.1@367.01,435 v1(415,435)
  MidLayer1 w10: v1(90,170) 70,190 70,359.54 177.46,467 383,467 v1(415,435)
\MEM_HOLD: IC200.17 IC202.7 R205.2 | length 464.4
  Top Layer w10: IC202.7@142.99,485 110.91,485 100,474.09 100,402.03 149.02,353.02 IC200.17@149.02,226.22 216.22,226.22 235,245 R205.2@290,245
\MEM_WP: IC200.16 IC202.3 R204.2 | length 620
  Top Layer w10: IC200.16@227.76,147.48 229.16,147.48 230,148.32 v1(230,175) ; R204.2@345,325.94 399.06,325.94 v1(400,325) ; IC202.3@367.01,535 v1(415,535)
  MidLayer1 w10: v1(230,175) 230,199.14 270.86,240 315,240 445,370 445,505 v1(415,535)
ADC_VBAT: IC200.15 R800.2 R802.1 | length 1493.9
  Top Layer w10: R800.2@-1010,525.94 R802.1@-1010,475 v1(-955,475) ; v1(130,130) 132.2,127.8 IC200.15@227.76,127.8
  MidLayer1 w10: v1(-955,475) -655,475 -475,295 v1(-350,295)
  Bottom Layer w10: v1(-350,295) -322,267 -322,222.46 -219.54,120 -120,120 -87.4,87.4 44.1,87.4 86.69,130 v1(130,130)
ADC_VREFF: IC200.14 R803.2 R806.1 | length 1010.8
  Top Layer w10: R806.1@-500,420.94 R803.2@-430,420.94 -429.06,420 v1(-385,420) ; v1(100,100) 145,100 153.11,108.11 IC200.14@227.76,108.11
  MidLayer1 w10: v1(-385,420) -385,370 -320,305 -320,285.4 -350,255.4 v1(-350,255) ; v1(100,100) v1@102,102
  Bottom Layer w10: v1(-350,255) -350,225 -224.7,99.7 -125.15,99.7 -94.86,69.4 69.4,69.4 v1(100,100)
BOOT0: IC200.60 R206.1 | length 149.4
  Top Layer w10: R206.1@-7.71,-343.66 70.28,-265.67 IC200.60@70.28,-226.54
BTN1: C300.1 IC200.55 R304.2 | length 586.5
  Top Layer w10: R304.2@-495,-420.94 C300.1@-420,-420.94 -420,-386.4 -363.6,-330 -160.46,-330 -95.46,-265 -34.35,-265 -28.5,-259.14 -28.5,-226.88 IC200.55@-28.15,-226.54